# Altium PCB MAIN-VNH7070.PcbDoc (part 1 of 2)
Units mm, origin at the board's own origin, x right, y up, seen from the top; angles counter-clockwise.
Board outline 112.62 x 130 mm, 2 copper layers (Top Layer, Bottom Layer), stack 1.581 mm thick; 108 components, 95 nets, 431 pads, 926 vias.
Unrouted connection lines stored in the file: 8.
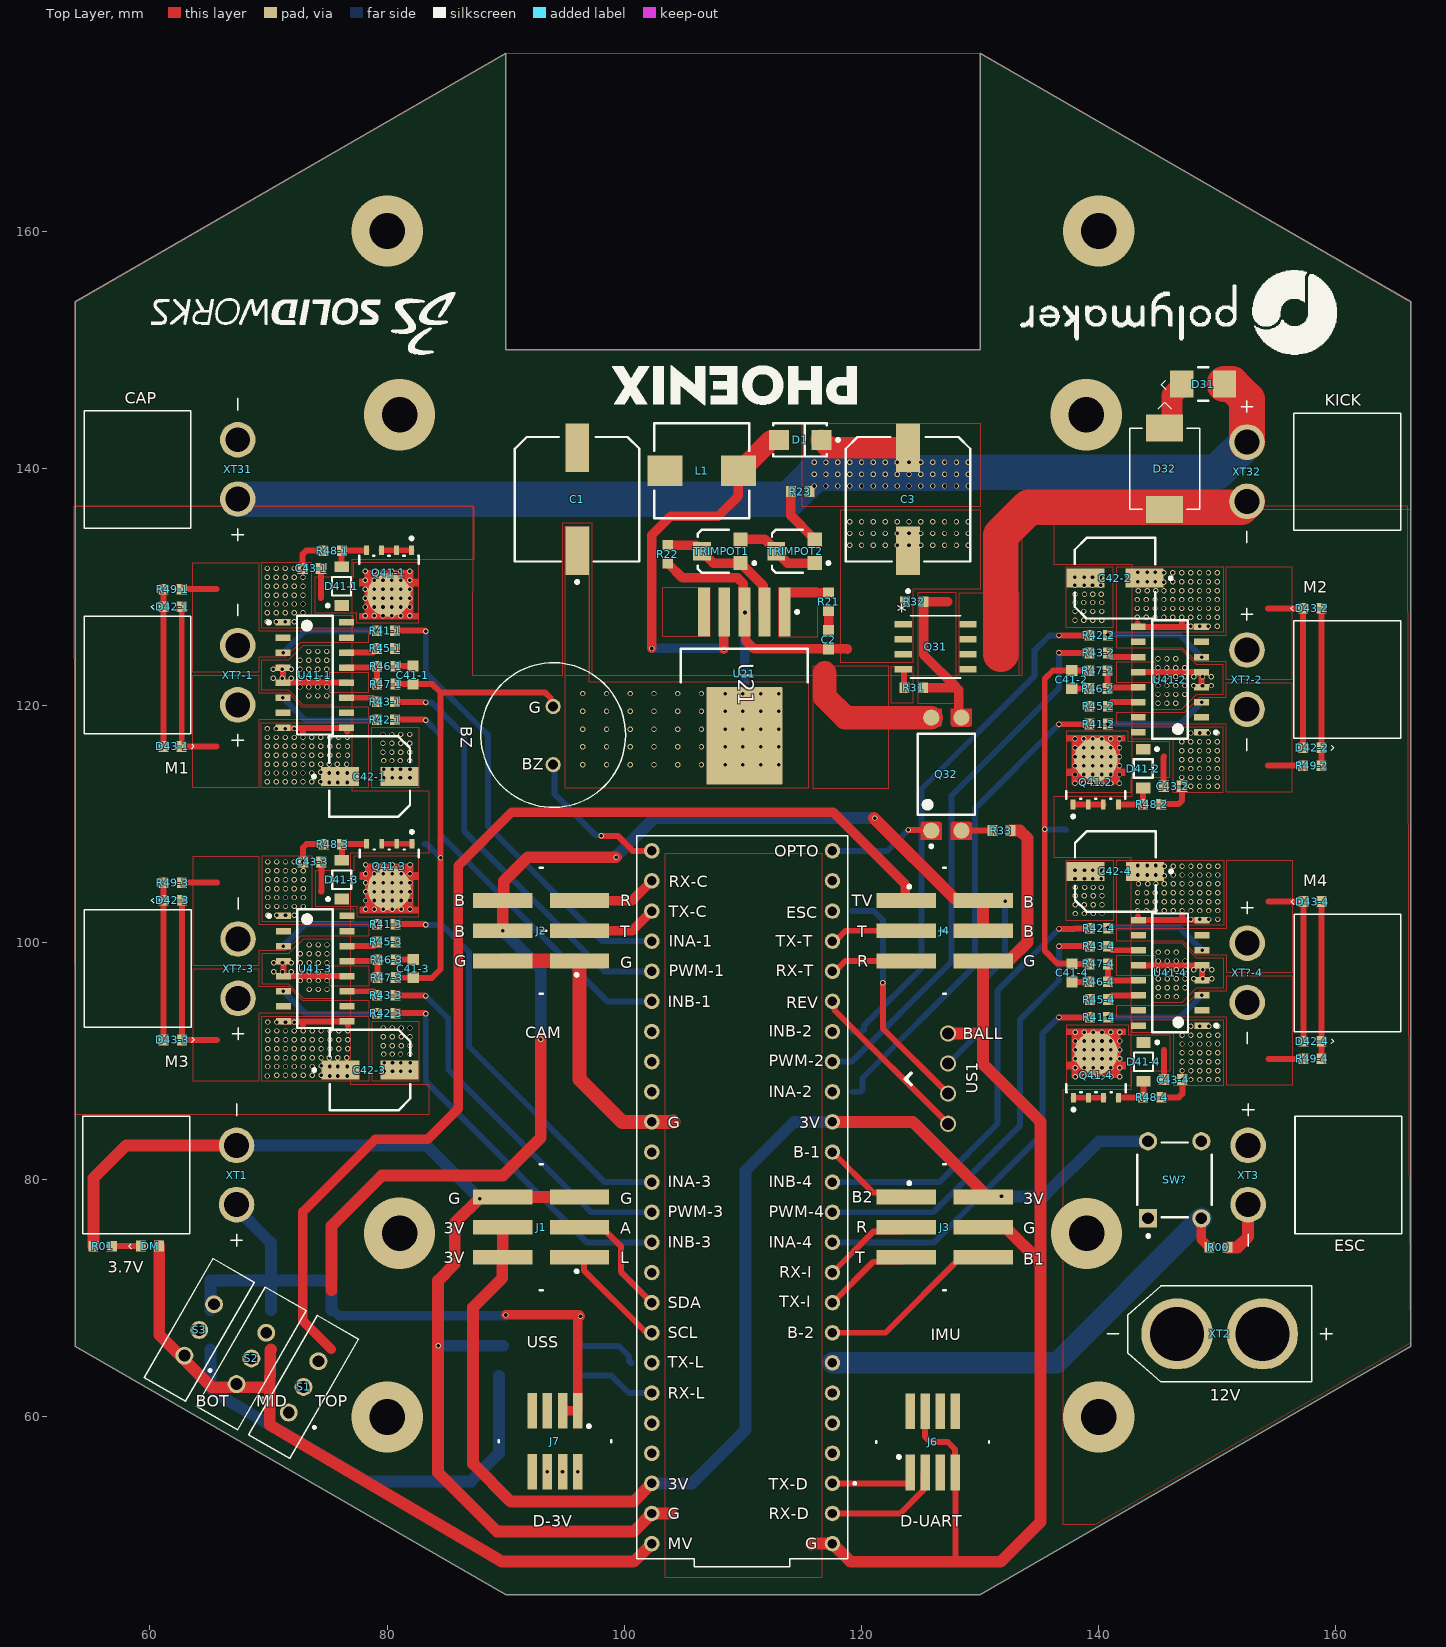
[diagram p0: Top Layer view]
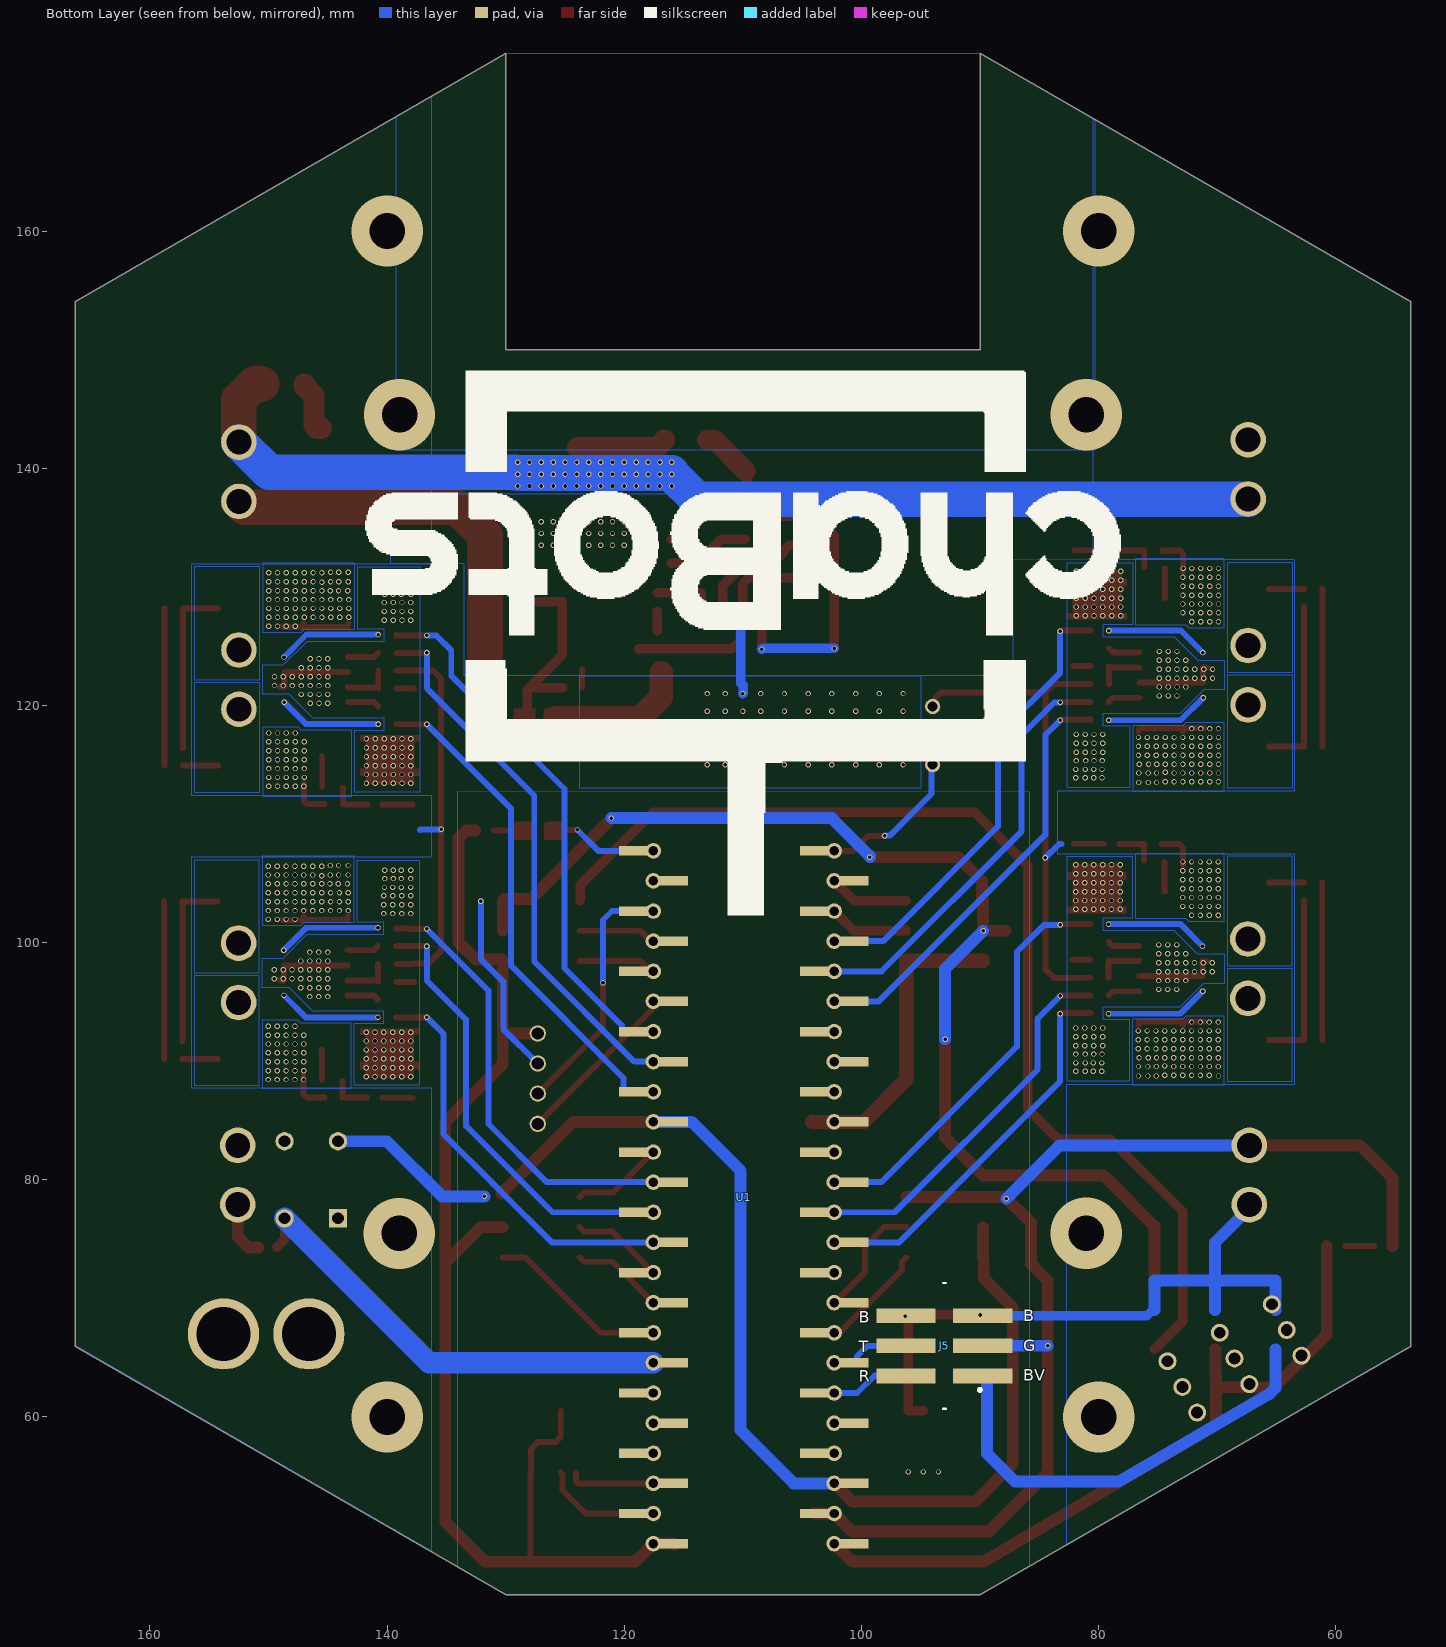
[diagram p1: Bottom Layer view, seen from below]
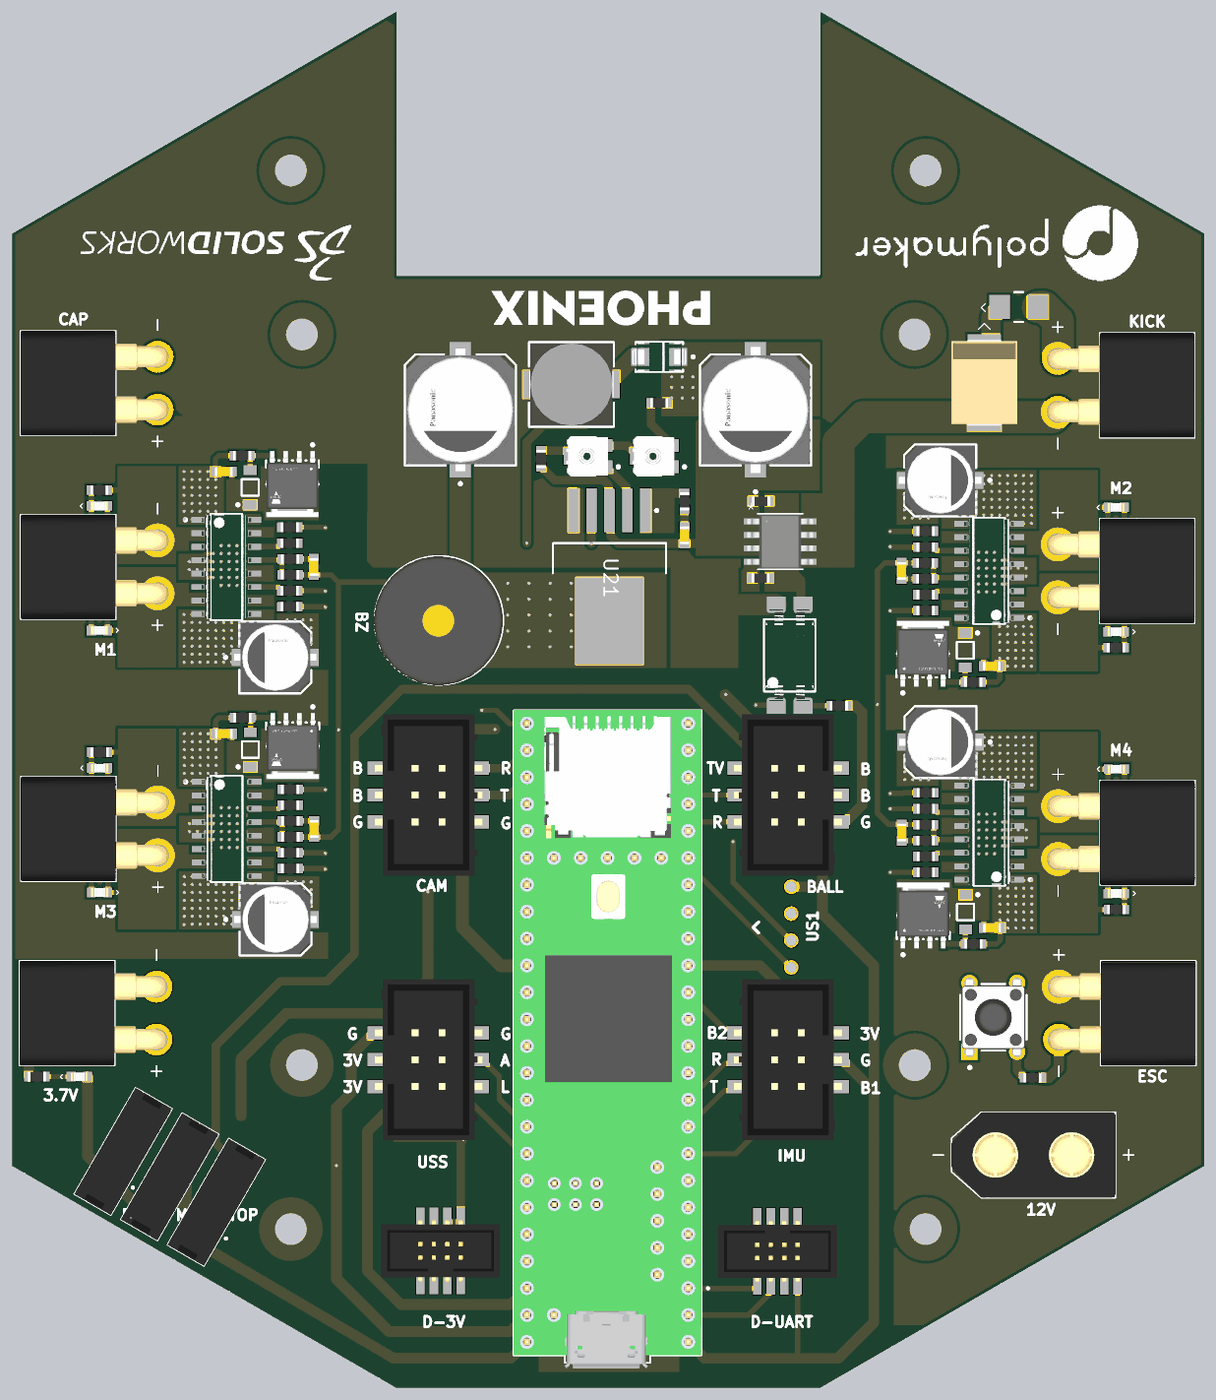
[diagram p3: 3D render of the assembled board from above, using the file's embedded part models]

## Layer stack, top to bottom
Top Solder: solder mask 0.0102, Solder Resist, Dk 3.5
Top Layer: signal copper 0.0356
Dielectric 1: dielectric 1.51, FR-4, Dk 4.8
Bottom Layer: signal copper 0.0356
Bottom Solder: solder mask 0.0102, Solder Resist, Dk 3.5

## Board outline
53.689,65.964 90,45 130,45 166.311,65.964 166.311,154.036 130,175 130,150 90,150 90,175 53.689,154.036

## Design rules (kind name [scope] priority, off if disabled: settings)
BoardOutlineClearance [All] p1: gap=0.254 ignorepadtopadclearanceinfootprint=FALSE except(0: Arc-SplitContinuation Track-SplitContinuation SMDPad-SplitContinuation THPad-SplitContinuation Via-SplitContinuation Fill-SplitContinuation Poly-SplitContinuation Region-SplitContinuation Text-SplitContinuation)
Clearance Clearance_1 [OnMid vs OnMid] p1: gap=0.254 ignorepadtopadclearanceinfootprint=FALSE sourcerule=47 cellrowname=All cellrowtype=0 cellcolname=All cellcoltype=0 innerlayers=TRUE
Clearance Clearance_2 [(ExistsOnLayer('Top Layer') Or ExistsOnLayer('Bottom Layer')) vs (ExistsOnLayer('Top Layer') Or ExistsOnLayer('Bottom Layer'))] p2: gap=0.254 ignorepadtopadclearanceinfootprint=FALSE sourcerule=47 cellrowname=All cellrowtype=0 cellcolname=All cellcoltype=0 outerlayers=TRUE
Clearance [All] p3: gap=0.254 ignorepadtopadclearanceinfootprint=FALSE ismatrix=TRUE
PlaneConnect [All] p1: planeconnectstyle=Direct reliefexpansion=0.508 reliefentries=4 reliefconductorwidth=0.254 reliefairgap=0.254
PolygonConnect [All] p1: connectstyle=Direct reliefconductorwidth=0.254 reliefentries=4 polygonreliefangle="90 Angle" airgapwidth=0.254
RoomDefinition VNH70703 [InComponentClass('VNH70703')] p1: confinementstyle=ConfineIn formatcopy=TRUE lockcomponents=FALSE outline 54.15,85.45 83.425,85.45 83.425,109.675 54.15,109.675
RoomDefinition VNH70704 [InComponentClass('VNH70704')] p2: confinementstyle=ConfineIn formatcopy=TRUE lockcomponents=FALSE outline 165.8,109.8 136.525,109.8 136.525,85.575 165.8,85.575
RoomDefinition VNH70701 [InComponentClass('VNH70701')] p3: confinementstyle=ConfineIn formatcopy=TRUE lockcomponents=FALSE outline 54.125,110.2 83.4,110.2 83.4,134.425 54.125,134.425
RoomDefinition VNH70702 [InComponentClass('VNH70702')] p4: confinementstyle=ConfineIn formatcopy=TRUE lockcomponents=FALSE outline 165.775,134.525 136.5,134.525 136.5,110.3 165.775,110.3
RoutingVias [All] p1: holewidth=0.711 width=1.27 viastyle="Through Hole" minholewidth=0.711 minwidth=1.27 maxholewidth=0.711 maxwidth=10
SolderMaskExpansion [All] p1: expansion=0.102 istentingtop=FALSE
SupplyNets "Schematic Supply Nets_1" [InNet('+3V')] p1: voltage=0.000
SupplyNets "Schematic Supply Nets" [InNet('+3VB')] p2: voltage=0.000
SupplyNets "Schematic Supply Nets_6" [InNet('GND')] p3: voltage=0.000
SupplyNets "Schematic Supply Nets_5" [InNet('+48V')] p4: voltage=0.000
SupplyNets "Schematic Supply Nets_4" [InNet('+12V')] p5: voltage=0.000
ViasUnderSMD ViasUnderSMD_1 [All] p1: allowed=TRUE
Width [All] p1: maxlimit=5 minlimit=0.254 preferedwidth=0.3
29 further rules are at their usual default settings.

## Classes and differential pairs
net class INB-[1..4]: INB-1 INB-2 INB-3 INB-4
net class INA-[1..4]: INA-1 INA-2 INA-3 INA-4
net class PWM-[1..4]: PWM-1 PWM-2 PWM-3 PWM-4
net class CS-[1..4]: CS-1 CS-2 CS-3 CS-4
channel class VNH7070-P: VNH70701 VNH70702 VNH70703 VNH70704
component class VNH70704: C41-4 C42-4 C43-4 D41-4 D42-4 D43-4 Q41-4 R41-4 R42-4 R43-4 R45-4 R46-4 R47-4 R48-4 R49-4 U41-4 XT?-4
component class VNH70703: C41-3 C42-3 C43-3 D41-3 D42-3 D43-3 Q41-3 R41-3 R42-3 R43-3 R45-3 R46-3 R47-3 R48-3 R49-3 U41-3 XT?-3
component class VNH70702: C41-2 C42-2 C43-2 D41-2 D42-2 D43-2 Q41-2 R41-2 R42-2 R43-2 R45-2 R46-2 R47-2 R48-2 R49-2 U41-2 XT?-2
component class VNH70701: C41-1 C42-1 C43-1 D41-1 D42-1 D43-1 Q41-1 R41-1 R42-1 R43-1 R45-1 R46-1 R47-1 R48-1 R49-1 U41-1 XT?-1
component class U_OptocouplerKicker: D31 D32 Q31 Q32 R31 R32 R33 XT31 XT32
component class U_Teensy: BZ DM J1 J2 J3 J4 J5 J6 J7 R00 R01 S1 S2 S3 SW? U1 US1 XT1 XT2 XT3
component class U_VoltageBooster48V: C1 C2 C3 D1 L1 R21 R22 R23 TRIMPOT1 TRIMPOT2 U21

## Components (designator, comment, footprint, x,y, rotation, side; value= is the part's Value field where it differs from the comment)
BZ "BUZZER-PS1240P02BT" BUZZER-PS1240P02BT 94,117.5 r90 top
C1 "EEE-HD1V101AP" FP-HDG-MFG 96.02,137.385 r90 top
C2 "1UF" CAP_0603 117.22,125.535 r90 top
C3 "EEE-TG1J101UP" FP-TGG-MFG 123.92,137.385 r90 top
C41-1 "10NF" CAP_0603 82.175,122.55 r90 top (schematic designator C41)
C41-2 "10NF" CAP_0603 137.725,122.175 r270 top (schematic designator C41)
C41-3 "10NF" CAP_0603 82.2,97.8 r90 top (schematic designator C41)
C41-4 "10NF" CAP_0603 137.75,97.45 r270 top (schematic designator C41)
C42-1 "270UF" FP-FTD8-MFG 78.525,114 r0 top (schematic designator C42)
C42-2 "270UF" FP-FTD8-MFG 141.375,130.725 r180 top (schematic designator C42)
C42-3 "270UF" FP-FTD8-MFG 78.55,89.25 r0 top (schematic designator C42)
C42-4 "270UF" FP-FTD8-MFG 141.4,106 r180 top (schematic designator C42)
C43-1 "0.1UF" CAP_0603 73.65,131.55 r180 top (schematic designator C43)
C43-2 "0.1UF" CAP_0603 146.25,113.175 r0 top (schematic designator C43)
C43-3 "0.1UF" CAP_0603 73.675,106.8 r180 top (schematic designator C43)
C43-4 "0.1UF" CAP_0603 146.275,88.45 r0 top (schematic designator C43)
D1 "SS14-E3/61T" FP-95400-MFG 114.82,142.385 r180 top
D31 "DIO_BZG05C3V3" DIO_BZG05C3V3 148.8,147.1 r180 top
D32 "DIO_RS3B-13-F" DIO_RS3B-13-F 145.35,139.55 r90 top
D41-1 "MMSZ4702T1G" ONSC-SOD-123-2-425-04_V 76.15,130.05 r90 top (schematic designator D41)
D41-2 "MMSZ4702T1G" ONSC-SOD-123-2-425-04_V 143.75,114.675 r270 top (schematic designator D41)
D41-3 "MMSZ4702T1G" ONSC-SOD-123-2-425-04_V 76.175,105.3 r90 top (schematic designator D41)
D41-4 "MMSZ4702T1G" ONSC-SOD-123-2-425-04_V 143.775,89.95 r270 top (schematic designator D41)
D42-1 "LED_0603" LED_0603 61.9,128.3 r180 top (schematic designator D42)
D42-2 "LED_0603" LED_0603 158,116.425 r0 top (schematic designator D42)
D42-3 "LED_0603" LED_0603 61.925,103.55 r180 top (schematic designator D42)
D42-4 "LED_0603" LED_0603 158.025,91.7 r0 top (schematic designator D42)
D43-1 "LED_0603" LED_0603 61.9,116.55 r0 top (schematic designator D43)
D43-2 "LED_0603" LED_0603 158,128.175 r180 top (schematic designator D43)
D43-3 "LED_0603" LED_0603 61.925,91.8 r0 top (schematic designator D43)
D43-4 "LED_0603" LED_0603 158.025,103.45 r180 top (schematic designator D43)
DM "LED_0603" LED_0603 60,74.4 r180 top
J1 "ULTRA_I2C" IDC-6PIN-SMT-2.54 93,76 r180 top
J2 "CAM_UART" IDC-6PIN-SMT-2.54 93,101 r180 top
J3 "IMU_UART" IDC-6PIN-SMT-2.54 127,76 r0 top
J4 "BALL_UART" IDC-6PIN-SMT-2.54 127,101 r0 top
J5 "LINE_UART" IDC-6PIN-SMT-2.54 93,66 r0 bottom
J6 "IDC-8PIN-SMT-1.27" IDC-8PIN-SMT-1.27 126,57.9 r90 top
J7 "IDC-8PIN-SMT-1.27" IDC-8PIN-SMT-1.27 94.15,57.95 r270 top
L1 "100UH" IND_BOOST 106.52,139.785 r0 top
Q31 "SQ4470EY-T1_GE3" SQ4470EY-T1_GE3 126.25,124.95 r0 top
Q32 "SFH6156-1T" FP-83911-MFG 127.15,114.2 r90 top
Q41-1 "SQJ409EP-T1_GE3" FP-T16-0221-SINGLE-MFG 80.15,130.37 r180 top (schematic designator Q41)
Q41-2 "SQJ409EP-T1_GE3" FP-T16-0221-SINGLE-MFG 139.75,114.355 r0 top (schematic designator Q41)
Q41-3 "SQJ409EP-T1_GE3" FP-T16-0221-SINGLE-MFG 80.175,105.62 r180 top (schematic designator Q41)
Q41-4 "SQJ409EP-T1_GE3" FP-T16-0221-SINGLE-MFG 139.775,89.63 r0 top (schematic designator Q41)
R00 "10KΩ" RES_0603 150.1,74.3 r0 top
R01 "10KΩ" RES_0603 56,74.4 r180 top
R21 "2.94KΩ" RES_0603 117.22,128.735 r90 top
R22 "1.5KΩ" RES_0603 103.65,132.75 r90 top
R23 "57KΩ" RES_0603 114.82,138.035 r0 top
R31 "10KΩ" RES_0603 124.4,121.5 r180 top
R32 "10KΩ" RES_0603 124.45,128.75 r0 top
R33 "1KΩ" RES_0603 131.8,109.45 r180 top
R41-1 "1KΩ" RES_0603 79.9,126.3 r180 top (schematic designator R41)
R41-2 "1KΩ" RES_0603 140,118.425 r0 top (schematic designator R41)
R41-3 "1KΩ" RES_0603 79.925,101.55 r180 top (schematic designator R41)
R41-4 "1KΩ" RES_0603 140.025,93.7 r0 top (schematic designator R41)
R42-1 "1KΩ" RES_0603 79.9,118.8 r180 top (schematic designator R42)
R42-2 "1KΩ" RES_0603 140,125.925 r0 top (schematic designator R42)
R42-3 "1KΩ" RES_0603 79.925,94.05 r180 top (schematic designator R42)
R42-4 "1KΩ" RES_0603 140.025,101.2 r0 top (schematic designator R42)
R43-1 "1KΩ" RES_0603 79.9,120.3 r180 top (schematic designator R43)
R43-2 "1KΩ" RES_0603 140,124.425 r0 top (schematic designator R43)
R43-3 "1KΩ" RES_0603 79.925,95.55 r180 top (schematic designator R43)
R43-4 "1KΩ" RES_0603 140.025,99.7 r0 top (schematic designator R43)
R45-1 "1KΩ" RES_0603 79.9,124.8 r180 top (schematic designator R45)
R45-2 "1KΩ" RES_0603 140,119.925 r0 top (schematic designator R45)
R45-3 "1KΩ" RES_0603 79.925,100.05 r180 top (schematic designator R45)
R45-4 "1KΩ" RES_0603 140.025,95.2 r0 top (schematic designator R45)
R46-1 "10KΩ" RES_0603 79.925,123.3 r180 top (schematic designator R46)
R46-2 "10KΩ" RES_0603 139.975,121.425 r0 top (schematic designator R46)
R46-3 "10KΩ" RES_0603 79.95,98.55 r180 top (schematic designator R46)
R46-4 "10KΩ" RES_0603 140,96.7 r0 top (schematic designator R46)
R47-1 "1.5KΩ" RES_0603 79.925,121.8 r180 top (schematic designator R47)
R47-2 "1.5KΩ" RES_0603 139.975,122.925 r0 top (schematic designator R47)
R47-3 "1.5KΩ" RES_0603 79.95,97.05 r180 top (schematic designator R47)
R47-4 "1.5KΩ" RES_0603 140,98.2 r0 top (schematic designator R47)
R48-1 "1KΩ" RES_0603 75.4,133.05 r0 top (schematic designator R48)
R48-2 "1KΩ" RES_0603 144.5,111.675 r180 top (schematic designator R48)
R48-3 "1KΩ" RES_0603 75.425,108.3 r0 top (schematic designator R48)
R48-4 "1KΩ" RES_0603 144.525,86.95 r180 top (schematic designator R48)
R49-1 "4.7KΩ" RES_0603 61.9,129.8 r0 top (schematic designator R49)
R49-2 "4.7KΩ" RES_0603 158,114.925 r180 top (schematic designator R49)
R49-3 "4.7KΩ" RES_0603 61.925,105.05 r0 top (schematic designator R49)
R49-4 "4.7KΩ" RES_0603 158.025,90.2 r180 top (schematic designator R49)
S1 "EG1218" EG1218 72.907,62.56 r60 top
S2 "EG1218" EG1218 68.507,64.96 r60 top
S3 "EG1218" EG1218 64.107,67.36 r60 top
SW? "3-1825910-1" FP-3-1825910-1-MFG 146.4,80 r90 top
TRIMPOT1 "TC33X-2-103E" BOUR-TC33X-2_V 108,133 r180 top
TRIMPOT2 "TC33X-2-103E" BOUR-TC33X-2_V 114.25,133 r180 top
U1 "Teensy-4.1" TEENSY-4.1 109.93,78.53 r90 top
U21 "LM2587SX-ADJ/NOPB" KTT0005B_N 110.12,121.635 r270 top
U41-1 "VNH7070ASTR" FP-SO-16N-GAPGCFT00818-MFG 73.9,122.55 r0 top (schematic designator U41)
U41-2 "VNH7070ASTR" FP-SO-16N-GAPGCFT00818-MFG 146,122.175 r180 top (schematic designator U41)
U41-3 "VNH7070ASTR" FP-SO-16N-GAPGCFT00818-MFG 73.925,97.8 r0 top (schematic designator U41)
U41-4 "VNH7070ASTR" FP-SO-16N-GAPGCFT00818-MFG 146.025,97.45 r180 top (schematic designator U41)
US1 "UMR09" URM09 127.3,88.5 r90 top
XT1 "LIPO-3V" XT30_PW_M 57.3,80.4 r90 top
XT2 "LIPO-12V" XT60-M 150.2,67 r180 top
XT3 "ESC" XT30_PW_M 162.6,80.4 r270 top
XT31 "CAPACITOR" XT30_PW_M 57.4,139.9 r90 top
XT32 "SOLENOID" XT30_PW_M 162.5,139.7 r270 top
XT?-1 "XT30_PW_M" XT30_PW_M 57.4,122.55 r90 top (schematic designator XT?)
XT?-2 "XT30_PW_M" XT30_PW_M 162.5,122.175 r270 top (schematic designator XT?)
XT?-3 "XT30_PW_M" XT30_PW_M 57.425,97.8 r90 top (schematic designator XT?)
XT?-4 "XT30_PW_M" XT30_PW_M 162.525,97.45 r270 top (schematic designator XT?)

## Footprints (in the part's own frame and the unit in brackets; to place one, negate y for a bottom-side part, rotate by r counter-clockwise, add the part's x,y. Pads: shape width x height; smd on the part's side, far side on the other; paste and mask are expansions set on the pad)
BOUR-TC33X-2_V [mm] "SMD, 3-Leads, Body 3.8x3.6mm"
  rect 1.2x1.2 smd: 1(-1.8,1) 3(-1.8,-1)
  rect 1.5x1.6 smd: 2(1.45,0)
  silkscreen extent -3.08,-1.8 1.8,1.8, body extent -2,-1.8 1.96,1.8, height 1.15
BUZZER-PS1240P02BT [mm]
  round 1.28 hole 0.85: 1(-2.5,0) 2(2.413,0)
  silkscreen extent -6.1,-6.1 6.1,6.1, body extent -6.14,-6.04 6.06,6.16, height 6
CAP_0603 [mm] "Chip Capacitor, 2-Leads, Body 1.60x0.80mm, IPC Medium Density"
  rect 0.9x0.95 smd: 1(-0.775,0) 2(0.775,0)
  body extent -0.85,-0.45 0.85,0.45, height 0.55
DIO_BZG05C3V3 [mm] "Molded Diode, 2-Leads, Body 4.35x2.50mm, IPC Medium Density"
  rect 1.95x2.25 smd: A(-1.8,0) C(1.8,0)
  silkscreen extent -0.42,-1.4 3.54,1.4, body extent -2.25,-1.4 2.25,1.4, height 2.3
DIO_RS3B-13-F [mm]
  rect 2.29x3.12 smd: A(-3.03,-0.2) C(3.83,-0.2)
  silkscreen extent -3.03,-3.15 6,2.75, body extent -3.67,-3.31 4.46,2.91, height 2.45
EG1218 [mm]
  round 1.508 hole 1: 1(-2.5,-0.05) 2(0,-0.05) 3(2.5,-0.05)
  silkscreen extent -5.8,-2.65 5.8,1.95, body extent -5.8,-2.05 5.8,1.95, height 7
FP-3-1825910-1-MFG [mm]
  rect 1.54x1.54 hole 0.99 paste-2539.97 mask+0: 1(-3.25,2.25)
  round 1.54 hole 0.99 paste-2539.97 mask+0: 2(3.25,2.25) 3(-3.25,-2.25) 4(3.25,-2.25)
  silkscreen extent -4.87,-3.15 3.15,3.15, body extent -4.12,-3.24 4.12,3.24, height 0.25
FP-83911-MFG [mm]
  round 1.368 smd paste+0 mask+0: 1(-4.765,1.27) 2(-4.765,-1.27) 3(4.765,-1.27) 4(4.765,1.27)
  Top Layer region: 5.525,0.38 4.255,0.38 4.159,0.399 4.078,0.453 4.024,0.534 4.005,0.63 4.005,0.63 4.005,1.91 4.024,2.006 4.078,2.087 4.159,2.141 4.255,2.16 4.255,2.16 5.525,2.16
  Top Layer region: 5.525,-2.16 4.255,-2.16 4.159,-2.141 4.078,-2.087 4.024,-2.006 4.005,-1.91 4.005,-1.91 4.005,-0.63 4.024,-0.534 4.078,-0.453 4.159,-0.399 4.255,-0.38 4.255,-0.38 5.525,-0.38
  Top Layer region: -5.525,-0.38 -4.255,-0.38 -4.159,-0.399 -4.078,-0.453 -4.024,-0.534 -4.005,-0.63 -4.005,-0.63 -4.005,-1.91 -4.038,-2.035 -4.13,-2.127 -4.255,-2.16 -4.255,-2.16 -5.525,-2.16
  Top Layer region: -5.525,2.16 -4.255,2.16 -4.159,2.141 -4.078,2.087 -4.024,2.006 -4.005,1.91 -4.005,1.91 -4.005,0.63 -4.038,0.505 -4.13,0.413 -4.255,0.38 -4.255,0.38 -5.525,0.38
  silkscreen extent -6.2,-2.41 3.4,2.41, body extent -5.63,-2.51 5.63,2.51, height 0.25
FP-95400-MFG [mm]
  rect 1.7x1.68 smd paste+0 mask+0: 1(-1.79,0) 2(1.79,0)
  silkscreen extent -3.33,-1.4 2.25,1.4, body extent -2.74,-1.5 2.74,1.5, height 0.25
FP-FTD8-MFG [mm]
  rect 3.2x1.6 smd paste+0 mask+0: 1(-2.5,0) 2(2.5,0)
  silkscreen extent -4.82,-3.4 3.4,3.4, body extent -4.35,-3.65 4.35,3.65, height 0.25
FP-HDG-MFG [mm]
  rect 4.1x2 smd paste+0 mask+0: 1(-4.35,0) 2(4.35,0)
  silkscreen extent -7.1,-5.25 5.25,5.25, body extent -6.65,-5.5 6.65,5.5, height 0.25
FP-SO-16N-GAPGCFT00818-MFG [mm]
  rect 1.25x0.55 smd paste+0 mask+0: 1(-2.675,4.445) 2(-2.675,3.175) 3(-2.675,1.905) 4(-2.675,0.635) 5(-2.675,-0.635) 6(-2.675,-1.905) 7(-2.675,-3.175) 8(-2.675,-4.445) 9(2.675,-4.445) 10(2.675,-3.175) 11(2.675,-1.905) 12(2.675,-0.635) 13(2.675,0.635) 14(2.675,1.905) 15(2.675,3.175) 16(2.675,4.445)
  silkscreen extent -4,-5 1.5,5, body extent -3.4,-5.1 3.4,5.1, height 0.25
FP-T16-0221-SINGLE-MFG [mm]
  rect 0.41x0.82 smd paste+0 mask+0: 1(-1.905,-2.715) 2(-0.635,-2.715) 3(0.635,-2.715) 4(1.905,-2.715)
  round 3.655 smd paste+0 mask+0: 5(0,1.07)
  Top Layer region: -2.5,3.125 2.5,3.125 2.5,2.615 2.03,2.615 2.03,0.305 2.5,0.305 2.5,-0.305 2.03,-0.305 2.03,-1.015 -2.03,-1.015 -2.03,-0.305 -2.5,-0.305 -2.5,0.305 -2.03,0.305 -2.03,2.615 -2.5,2.615
  silkscreen extent -2.5,-3.84 2.5,-1.57, body extent -2.73,-3.22 2.73,3.22, height 0.25
FP-TGG-MFG [mm]
  rect 4.1x2 smd paste+0 mask+0: 1(-4.35,0) 2(4.35,0)
  silkscreen extent -7.87,-5.25 5.25,5.25, body extent -6.65,-5.5 6.65,5.5, height 0.25
IDC-6PIN-SMT-2.54 [mm] "SOJ, 6-Leads, Body 10.60x10.50mm, Pitch 2.54mm, IPC Low Density"
  rect 5x1.25 smd: 1(-3.225,2.54) 2(-3.225,0) 3(-3.225,-2.54) 4(3.25,-2.54) 5(3.25,0) 6(3.25,2.54)
  silkscreen extent -3.1,-5.3 0.12,5.3, body extent -5.1,-7.61 5.08,7.61, height 10.5
IDC-8PIN-SMT-1.27 [mm]
  rect 3x0.8 smd: 1(-2.586,1.905) 2(-2.586,0.635) 3(-2.586,-0.635) 4(-2.586,-1.905) 5(2.586,-1.905) 6(2.586,-0.635) 7(2.586,0.635) 8(2.586,1.905)
  silkscreen extent -1.39,-4.75 0.08,4.75, body extent -2.9,-5.64 2.9,5.64, height 5.1
IND_BOOST [mm] "Precision Wire Wound Inductor, 2-Leads, Body 7.75x7.75mm, IPC Medium Density"
  rect 2.95x2.6 smd: 1(-3.1,0) 2(3.1,0)
  silkscreen extent -4,-4 4,4, body extent -3.98,-3.88 3.98,3.88, height 4.6
KTT0005B_N [mm] "DPAK, 5-Leads, Body 10.65x9.65mm, Pitch 1.7mm, IPC Medium Density"
  rrect10% 4.15x1 smd: 1(-6.25,3.4) 2(-6.25,1.7) 3(-6.25,0) 4(-6.25,-1.7) 5(-6.25,-3.4)
  rrect2% 8.2x6.4 smd: 6(4.2,0)
  silkscreen extent -6.37,-5.35 -0.3,5.35, body extent -3.15,-5.32 6.5,5.33, height 4.83
LED_0603 [mm]
  rect 0.85x0.9 smd: A(-0.776,-0.009) C(0.774,-0.009)
  silkscreen extent 1.6,-0.2 1.8,0.2, body extent -0.8,-0.4 0.8,0.4, height 0.35
ONSC-SOD-123-2-425-04_V [mm] "SOD, 2-Leads, Body 2.69x1.6mm"
  rect 0.91x1.22 smd: 1(-1.635,0) 2(1.635,0)
  silkscreen extent -1.76,-0.8 0.78,1.28, body extent -1.35,-0.8 1.35,0.8, height 1.35
RES_0603 [mm] "Chip Resistor, 2-Leads, Body 1.60x0.80mm, IPC Medium Density"
  rect 0.85x0.9 smd: 1(-0.775,0) 2(0.775,0)
  body extent -0.85,-0.45 0.85,0.45, height 0.55
SQ4470EY-T1_GE3 [mil]
  rect 57.5x22 smd paste+0 mask+0: D(107.17,-75.43) D(107.17,-25.43) D(107.17,24.57) D(107.17,74.57) G(-107.33,-75.43) S(-107.33,-25.43) S(-107.33,24.57) S(-107.33,74.57)
  silkscreen extent -84,-104 83,103, body extent -122,-99 122,98, height 69
TEENSY-4.1 [mm]
  rect 0.8x2.4 smd far side: 0(-26.67,-9.32) 1(-24.13,-5.92) 2(-21.59,-9.32) 3(-19.05,-5.92) 3V(-24.13,9.33) 3V-1(6.35,-5.92) 4(-16.51,-9.32) 5(-13.97,-5.92) 6(-11.43,-9.32) 7(-8.89,-5.92) 8(-6.35,-9.32) 9(-3.81,-5.92) 10(-1.27,-9.32) 11(1.27,-5.92) 12(3.81,-9.32) 13(3.81,5.93) 14(1.27,9.33) 15(-1.27,5.93) 16(-3.81,9.33) 17(-6.35,5.93) 18(-8.89,9.33) 19(-11.43,5.93) 20(-13.97,9.33) 21(-16.51,5.93) 22(-19.05,9.33) 23(-21.59,5.93) 24(8.89,-9.32) 25(11.43,-5.92) 26(13.97,-9.32) 27(16.51,-5.92) 28(19.05,-9.32) 29(21.59,-5.92) 30(24.13,-9.32) 31(26.67,-5.92) 32(29.21,-9.32) 33(29.21,5.93) 34(26.67,9.33) 35(24.13,5.93) 36(21.59,9.33) 37(19.05,5.93) 38(16.51,9.33) 39(13.97,5.93) 40(11.43,9.33) 41(8.89,5.93) GND(-26.67,5.93) GND1(-29.21,-5.92) GND3(6.35,9.33) VIN(-29.21,9.33)
  round 1.308 hole 0.8: 0(-26.67,-7.62) 1(-24.13,-7.62) 2(-21.59,-7.62) 3(-19.05,-7.62) 3V(-24.13,7.62) 3V-1(6.35,-7.62) 4(-16.51,-7.62) 5(-13.97,-7.62) 6(-11.43,-7.62) 7(-8.89,-7.62) 8(-6.35,-7.62) 9(-3.81,-7.62) 10(-1.27,-7.62) 11(1.27,-7.62) 12(3.81,-7.62) 13(3.81,7.62) 14(1.27,7.62) 15(-1.27,7.62) 16(-3.81,7.62) 17(-6.35,7.62) 18(-8.89,7.62) 19(-11.43,7.62) 20(-13.97,7.62) 21(-16.51,7.62) 22(-19.05,7.62) 23(-21.59,7.62) 24(8.89,-7.62) 25(11.43,-7.62) 26(13.97,-7.62) 27(16.51,-7.62) 28(19.05,-7.62) 29(21.59,-7.62) 30(24.13,-7.62) 31(26.67,-7.62) 32(29.21,-7.62) 33(29.21,7.62) 34(26.67,7.62) 35(24.13,7.62) 36(21.59,7.62) 37(19.05,7.62) 38(16.51,7.62) 39(13.97,7.62) 40(11.43,7.62) 41(8.89,7.62) GND(-26.67,7.62) GND1(-29.21,-7.62) GND3(6.35,7.62) VIN(-29.21,7.62)
  silkscreen extent -31.18,-9.6 30.48,8.89, body extent -31.7,-8.9 30.5,8.88, height 7.07
URM09 [mm]
  round 1.37 hole 1.02: GND(1.3,0) SCL(-1.24,0) SDA(-3.78,0) VCC(3.84,0)
  silkscreen extent -0.5,3.1 0.5,3.6
XT30_PW_M [mm]
  round 3 hole 2.1: N(2.5,-10) P(-2.5,-10)
  silkscreen extent -6,-10.5 6,2.95, body extent -4.95,-11 4.95,2.95, height 5
XT60-M [mm]
  round 6 hole 4.55: N(3.6,0) P(-3.6,0)
  silkscreen extent -9.5,-4.05 9.5,4.05, body extent -7.75,-4.05 7.75,4.05, height 15

## Part data
C1: library part CMP-00287-42869300-1, "EEE-HD1V101AP Aluminum Electrolytic Capacitor, 100 uF, 35 V, ± 20%, 5000 hours @ 105°C, Radial Can - SMD", Capacitance=100µF, Case/Package=Radial, Dielectric Material=Aluminium, ESR (Equivalent Series Resistance)=800mΩ, Leakage Current=35µA, Max Operating Temperature=105°C, Min Operating Temperature=-40°C, Ripple Current=101mA, Tolerance=20%, Voltage=35V, Diameter=10mm, Dissipation Factor=14%, Height=10.2mm, Height - Seated (Max)=10.2108mm, Impedance=800mΩ, Lead Free="Lead Free", Lead Pitch=4.6mm, Length=10.5mm, Life (Hours)=5000hours, Lifecycle Status=Production, Mount="PCB, Surface Mount", NexarPartId=42869300, Number of Pins=2, Packaging="Cut Tape", Radiation Hardening=No, REACH SVHC="No SVHC", Ripple Current (AC)=101mA, RoHS=Compliant, Schedule B="8532220020, 8532220020", Termination=SMD/SMT, Voltage Rating=35V, Voltage Rating (DC)=35V
C2 C41-1 C41-2 C41-3 C41-4 C43-1 C43-2 C43-3 C43-4: library part CAP_0603, "Capacitor SMD 0603 generic"
C3: library part CMP-05427-002169-1, "CAP ALUM 100UF 20% 63V SMD", Capacitance=100uF, Case/Package=Radial, ESR (Equivalent Series Resistance)=800mR, Max Operating Temperature=125°C, Min Operating Temperature=-40°C, Package Quantity=500, Ratings=AEC-Q200, Ripple Current=150mA, Tolerance=20%, Voltage=63V, Construction=Cylindrical, Contact Plating=Tin, Diameter=10mm, Dissipation Factor=0.12%, Height=10.2mm, Height - Seated (Max)=0.402inch, Lead Free="Lead Free", Length=10.2mm, Life (Hours)=2000Hour, Mount="Surface Mount", Packaging="Tape and Reel", Radiation Hardening=No, Reach SVHC Compliant=Yes, Ripple Current (AC)=150mA, RoHS Compliant=Yes, Series=TG, Termination=SMD/SMT, Voltage Rating=63V, Voltage Rating (DC)=63V, Width=900um
C42-1 C42-2 C42-3 C42-4: library part CMP-05427-000088-1, "CAP ALUM 220UF 20% 25V SMD", Capacitance=220uF, Case/Package=Radial, Dielectric Material=Aluminium, ESR (Equivalent Series Resistance)=160mR, Leakage Current=55uA, Max Operating Temperature=105°C, Min Operating Temperature=-55°C, Package Quantity=1, Ripple Current=600mA, Tolerance=20%, Voltage=25V, Construction=Cylindrical, Contact Plating=Tin, Diameter=6.3mm, Height=7.7mm, Height - Seated (Max)=0.315inch, Lead Diameter=0.65mm, Lead Free="Lead Free", Lead Pitch=1.8mm, Length=7.7mm, Life (Hours)=2000Hour, Mount="Surface Mount", Number of Pins=8, Packaging="Tape and Reel", Radiation Hardening=No, REACH SVHC="No SVHC", Ripple Current (AC)=600mA, RoHS Compliant=Yes, Series=FT, Termination=SMD/SMT, Voltage Rating=25V, Voltage Rating (DC)=25V
D1: library part CMP-02539-000035-1, "DIODE SCHOTTKY 40V 1A DO214AC", Forward Current=1A, Manufacturer=Vishay, Max Junction Temp=+150°C, Max Repetitive Reverse Voltage=40V, Max Surge Forward Current=40A, Package=95400, Peak Reverse Current=0.2mA, Temperature="-65°C to +150°C", Temperature Range Low=-65°C, Automotive=No, Category=Diode, ComponentLink2Description=Datasheet, ComponentLink2URL=http://www.vishay.com/docs/88746/ss12.pdf, Device Class L1="Discrete Semiconductors", Device Class L2=Diodes, Device Class L3="Schottky Diodes", Digikey Description="DIODE SCHOTTKY 40V 1A DO214AC", Footprint Url=http://www.vishay.com/docs/95400/sma.pdf, Height=2.29mm, Lead Free=Yes, Manufacturer Part Number=SS14-E3/61T, Mouser Description="SS14 Series 40 V 1 A Surface Mount Schottky Barrier Rectifier - DO-214AC (SMA)", Octopart=https://octopart.com/ss14-e3%2F61t-vishay-39552847, RoHS=TRUE, Standoff Height=0mm, Temperature Range High=+150°C
D41-1 D41-2 D41-3 D41-4: library part CMP-1060-00296-1, "Zener Voltage Regulator, 500 mW, 2-Pin SOD-123, Pb-Free, Tape and Reel", Manufacturer="On Semiconductor", ComponentLink1Description="Manufacturer URL", ComponentLink1URL=http://www.onsemi.com/, ComponentLink2Description=Datasheet, ComponentLink2URL=http://www.onsemi.com/pub_link/Collateral/MMSZ4678T1-D.PDF, ComponentLink3Description="Package Specification", ComponentLink3URL=http://www.onsemi.com/pub_link/Collateral/425-04.PDF, DatasheetVersion="Rev. 9", Mounting Technology="Surface Mount", P Max (W)=0.5, PackageDescription="2-Pin SOD, Body 1.6 x 2.69 mm", PackageReference=SOD-123-2-425-04, PackageVersion="Rev. G, 10/2009", Packing="Tape and Reel", PartNumber=MMSZ4702T1G, RoHS=Pb-Free, VZ Typ (V)=15
J1 J2 J3 J4 J5: library part IDC-6PIN-SMT-2.54_1
L1: library part "Boost Inductor", "Voltage Boost Inductor"
Q32: library part CMP-00030-03895371-1, "SFH6156-1T Optocoupler Dc-in 1-CH Transistor Dc-out 4-PIN PDIP SMD T/r", Ambient Temperature Range High=100°C, Case/Package=SMD/SMT, Collector Emitter Saturation Voltage=400mV, Collector Emitter Voltage (VCEO)=70V, Current Transfer Ratio=80%, Forward Current=60mA, Forward Voltage=1.25V, Isolation Voltage=5.3kV, Max Collector Current=100mA, Max Power Dissipation=150mW, Min Operating Temperature=-55°C, Output Current per Channel=50mA, Reverse Breakdown Voltage=6V, Fall Time=11s, Height=4.059mm, Input Current=60mA, Lead Free="Lead Free", Max Input Current=60mA, Max Operating Temperature=100°C, Max Output Voltage=70V, Mount="PCB, Surface Mount", NexarPartId=3895371, Number of Channels=1, Number of Elements=1, Number of Pins=4, Output Voltage=70V, Packaging=Digi-Reel®, Power Dissipation=150mW, Radiation Hardening=No, Reverse Voltage=6V, Rise Time=2s, RoHS=Compliant, Schedule B="8541408000, 8541408000", Turn-Off Delay Time=2.3µs, Turn-On Delay Time=3µs
Q41-1 Q41-2 Q41-3 Q41-4: library part CMP-02550-000144-1, "MOSFET P-CH 40V 60A POWERPAKSO-8", Continuous Drain Current=-60A, Drain To Source Breakdown Voltage=-40V, Drain To Source Resistance=0.0058Ω, Gate To Source Voltage=20V, Input Capacitace At Vds="8400pF @ -25V", Manufacturer=Vishay, Max Forward Diode Voltage=-1.2V, Max Junction Temp=+175°C, Package=T16-0221-SINGLE, Power Dissipation=68W, Pulse Drain Current=-150A, Temperature="-55°C to +175°C", Temperature Range Low=-55°C, Typ Forward Diode Voltage=-0.76V, Automotive=Yes, Automotive Grade="Grade 0", Category=Trans, ComponentLink2Description=Datasheet, ComponentLink2URL=https://www.vishay.com/docs/77707/sqj409ep.pdf, Depletion Mode=False, Device Class L1="Discrete Semiconductors", Device Class L2=Transistors, Device Class L3=MOSFETs, Digikey Description="MOSFET P-CH 40V 60A POWERPAKSO-8", Drain To Source Voltage=-40V, Footprint Url=http://www.vishay.com/docs/63818/ppso8ls.pdf, Gate Charge At Vgs="170nC @ -10V", Height=1.267mm, Lead Free=Yes, Manufacturer Part Number=SQJ409EP-T1_GE3, Mouser Description="Trans MOSFET P-CH 40V 60A Automotive 5-Pin(4+Tab) PowerPAK SO T/R", Number of Channels=1, Number Of P Channels=1, Octopart=https://octopart.com/sqj409ep-t1_ge3-vishay-82218774, Reverse Recovery Charge=45nC, Reverse Recovery Time=39ns, RoHS=TRUE, Rthja Max=68°C/W, Standoff Height=0mm, Temperature Range High=+175°C, Threshold Vgs Max=-2.5V, Threshold Vgs Min=-1.5V, Transconductance=54S, Turn Off Delay Time=75ns, Turn On Delay Time=23ns
R00 R01 R21 R22 R23 R31 R32 R33 R41-1 R41-2 R41-3 R41-4 R42-1 R42-2 R42-3 R42-4 R43-1 R43-2 R43-3 R43-4 R45-1 R45-2 R45-3 R45-4 R46-1 R46-2 R46-3 R46-4 R47-1 R47-2 R47-3 R47-4 R48-1 R48-2 R48-3 R48-4 R49-1 R49-2 R49-3 R49-4: library part RES_0603, "Resistor SMD 0603 generic"
SW?: library part CMP-03407-000001-1, "SWITCH TACTILE SPST-NO 0.05A 24V", Contact Current Rating=50mA, Contact Resistance=100mΩ, Manufacturer="TE Connectivity", Operating Force=160gf, Package=0, Temperature="-35°C to +85°C", Temperature Range High=+85°C, Temperature Range Low=-35°C, Automotive=No, Category=Switch, ComponentLink2Description=Datasheet, ComponentLink2URL=https://www.te.com/commerce/DocumentDelivery/DDEController?Action=srchrtrv&DocNm=1825910&DocType=Customer+Drawing&DocLang=English, Device Class L1=Electromechanical, Device Class L2=Switches, Device Class L3="Tactile Switches", Digikey Description="SWITCH TACTILE SPST-NO 0.05A 24V", Electromechanical Life=100000Cycles, Height=17.3mm, Lead Free=Yes, Manufacturer Part Number=3-1825910-1, Mount="Through Hole", Octopart=https://octopart.com/3-1825910-1-te+connectivity-46506874, RoHS=TRUE, Throw Configuration=SPST-NO
TRIMPOT1 TRIMPOT2: library part CMP-2100-03695-1, "Trimming Potentiometer, 10000 Ohm, -40 to 100 degC, 3-Pin SMD, RoHS, Tape and Reel", Case/Package=SMD/SMT, Colour=Silver, Manufacturer=Bourns, Max Operating Temperature=100degC, Max Power Dissipation=100mW, Min Operating Temperature=-40degC, Package Description="3-Pin Surface Mount Device, Body 3.8 x 3.6 mm", Package Quantity=2500, Package Reference=TC33X-2, Resistance=10KOhm, Temperature Coefficient=250ppm/degreesC, Tolerance=25%, Voltage Rating (DC)=50V, Composition=Potentiometer, Contact Plating=Silver, Datasheet URL=http://www.bourns.com/docs/Product-Datasheets/TC33.pdf, Datasheet Version=42583.0, Depth=3.8mm, Height=0.047inch, Lead Free=LeadFree, Length=3mm, Manufacturer URL=http://www.bourns.com/, Military Standard=Not, Mount=SurfaceMount, Number of Turns=1, Packaging=TapeandReel, Power Rating=100mW, Radiation Hardening=No, REACH SVHC=NoSVHC, RoHSCompliant=true, Taper=Linear, Termination=FootPrint, Weight=29.4mg, Width=0.118inch
U21: library part CMP-0069-00069-3, "5A Flyback Regulator, 5-pin TO-263, Pb-Free", Manufacturer="Texas Instruments", PackageTopMarking="NSUZXYTTE#*LM2587S*-ADJ P+", PowerWise=N, Code_JEDEC=MO-169-AB, ComponentLink1Description="Datasheet URL", ComponentLink1URL=http://www.ti.com/general/docs/lit/getliterature.tsp?genericPartNumber=LM2587&fileType=pdf, CompType=Switcher, PackageDescription="TO-263, Molded, .400 x .390 x .180in, 5 Lead, .067in Pitch, Surface Mount", PackageReference=KTT0005B, PinCount=5, RoHS=Y
U41-1 U41-2 U41-3 U41-4: library part CMP-2000-07519-2, "IC MOTOR DRIVER 4V-28V 16SOIC", Manufacturer=STMicroelectronics, Max Junction Temp=+150°C, Max Supply Voltage=28V, Min Supply Voltage=4V, Nominal Supply Current=2-3.5mA, Output Current=15A, Package=SO-16N-GAPGCFT00818, Temperature="-40°C to +150°C", Temperature Range Low=-40°C, Automotive=Yes, Automotive Grade="Grade 0", Category=IC, ComponentLink2Description=Datasheet, ComponentLink2URL=https://www.st.com/resource/en/datasheet/vnh7070as.pdf, Device Class L1="Integrated Circuits (ICs)", Device Class L2="Power Management ICs", Device Class L3="Motor Drivers", Digikey Description="IC MOTOR DRIVER 4V-28V 16SOIC", Footprint Url=https://www.st.com/resource/en/datasheet/l6566a.pdf, Height=1.75mm, Ipc Land Pattern Name=SOIC127P600X175-16, Lead Free=Yes, Manufacturer Part Number=VNH7070ASTR, Motor Type=Brushed, Mouser Description="STMicroelectronics VNH7070ASTR Motor Driver IC 16-Pin, SOIC", Number Of Outputs=2, Octopart=https://octopart.com/vnh7070astr-stmicroelectronics-66668687, RoHS=TRUE, Standoff Height=0.1mm, Temperature Range High=+150°C
XT1 XT3 XT31 XT32: library part XT30_PW_M
XT2: library part XT60-M

## Via types
v1: diameter 0.45, hole 0.3, Top Layer to Bottom Layer, tented both sides, 918 vias
v2: diameter 6, hole 3, Top Layer to Bottom Layer, 8 vias

## Nets (pads, with @x,y where several pads share a name; then routed paths per layer and width w, separated by ;. In a path a pad name is that pad's centre, name@x,y a point inside that pad or via, vN(x,y) a via of type N, cw(c..) or ccw(c..) an arc to the next point about the centre after c; other vN are vias at no path point)
+3V: J1.5 J1.6 J3.6 SW?.2 U1.3V U1.3V-1 | length 107.8
  Top Layer w1: J1.6@89.7,72.95 89.7,71.7 87.25,69.25 87.25,56.043 90.423,52.87 100.78,52.87 U1.3V@102.31,54.4 ; J1.6@89.75,73.46 J1.5@89.75,76 ; U1.3V-1@117.55,84.88 124.323,84.88 J3.6@130.375,78.828
  Bottom Layer w1: U1.3V@102.31,54.4 105.726,54.4 110.2,58.874 110.2,80.75 114.33,84.88 U1.3V-1@115.85,84.88 U1.3V-1@117.55,84.88 ; v1(131.8,78.6) 135.377,78.6 140.027,83.25 SW?.2@144.15,83.25
+3VB: J2.4 J2.5 J4.5 J4.6 J5.3 J5.4 J7.1 J7.2 S1.2 S1.3 S2.2 S2.3 S3.2 S3.3 US1.GND XT1.P | length 170.9
  Top Layer w0.8: v1(90,68.6) 96.2,68.6 v1(96.3,68.5) 96.055,68.255 J7.1@96.055,60.536 J7.2@94.785,60.536
  Top Layer w1: 75.3,70.7 75.3,76.1 79.576,80.376 89.776,80.376 92.95,83.55 v1(92.95,91.85) ; J2.5@87.875,101 v1(89.75,101) 89.75,103.586 89.829,103.665 89.829,105.179 91.85,107.2 v1(99.3,107.2) ; v1@121.05,110.5 127.885,103.665 130.125,103.665 J4.6@130.25,103.54 J4.5@130.25,101
  Bottom Layer w0.5: US1.GND@127.3,89.8 130.2,92.7 130.2,96.7 132.1,98.6 v1(132.1,103.5)
  Bottom Layer w0.8: 75.3,69 75.492,69 75.952,68.54 89.94,68.54 v1(90,68.6)
  Bottom Layer w1: S3.3@65.1,69 65.1,71.5 70.2,71.5 ; XT1.P@67,77.9 70.2,74.7 70.2,71.5 ; 70.2,69 70.2,71.5 ; 75.3,69 75.3,71.5 70.2,71.5 ; v1(89.75,101) 92.95,97.8 v1(92.95,91.85) ; v1(99.3,107.2) 99.3,107.3 102.5,110.5 v1(121.1,110.5)
+12V: C1.2 L1.1 Q32.4 Q41-1.1 Q41-1.2 Q41-1.3 Q41-2.1 Q41-2.2 Q41-2.3 Q41-3.1 Q41-3.2 Q41-3.3 Q41-4.1 Q41-4.2 Q41-4.3 U21.5 XT2.P XT3.P | length 21.9
  Top Layer w0.5: Q41-1.3@79.515,133.085 Q41-1.2@80.785,133.085 Q41-1.1@82.055,133.085 ; Q41-3.3@79.54,108.335 Q41-3.2@80.81,108.335 Q41-3.1@82.08,108.335 ; Q41-2.1@137.845,111.64 Q41-2.2@139.115,111.64 Q41-2.3@140.385,111.64 ; Q41-4.1@137.87,86.915 Q41-4.2@139.14,86.915 Q41-4.3@140.41,86.915
  Top Layer w2: 116.9,122.734 116.9,120.7 118.635,118.965 Q32.4@125.88,118.965
+48V: C3.2 D1.1 D31.A R23.2 XT31.P XT32.P | length 100.5
  Top Layer w1.8: D1.1@116.61,142.385 117.26,141.735 C3.2@123.92,141.735
  Top Layer w3: D31.A@150.6,147.1 151.2,147.1 152.5,145.8 XT32.P@152.5,142.2
  Bottom Layer w3: XT31.P@67.4,137.4 113.9,137.4 v1(116,139.5) ; v1@116,139.6 v1@129,139.6 ; v1@129.15,139.65 149.95,139.65 XT32.P@152.5,142.2
  other v1: 116,138.5 117,138.5 118,138.5 119,138.5 120,138.5 121,138.5 122,138.5 123,138.5 124,138.5 125,138.5 126,138.5 127,138.5 128,138.5 129,138.5 117,139.5 118,139.5 119,139.5 120,139.5 121,139.5 122,139.5 123,139.5 124,139.5 125,139.5 126,139.5 127,139.5 128,139.5 129,139.5 116,140.5 117,140.5 118,140.5 119,140.5 120,140.5 121,140.5 122,140.5 123,140.5 124,140.5 125,140.5 126,140.5 127,140.5 128,140.5 129,140.5
BOT_3V: J5.1 S3.1 | length 37.3
  Bottom Layer w1: 65.1,65.7 65.1,62.814 65.1,62.447 65.598,61.95 78.321,54.562 87.062,54.562 89.425,56.925 J5.1@89.425,63.46
BUTTON: R00.1 SW?.3 U1.5 | length 38.9
  Top Layer w0.8: SW?.3@148.65,76.75 148.65,74.975 R00.1@149.325,74.3
  Bottom Layer w1.8: U1.5@117.55,64.56 136.46,64.56 SW?.3@148.65,76.75
BUTTON_1: J3.1 U1.12 | length 7.8
  Top Layer w0.5: U1.12@117.55,82.34 120.975,78.915 123.4,78.915 J3.1@123.775,78.54
BUTTON_2: J3.4 U1.6 | length 15.3
  Top Layer w0.5: U1.6@117.55,67.1 122.015,67.1 128.375,73.46 J3.4@130.25,73.46
BZ: BZ.1 U1.33 | length 12.7
  Top Layer w0.5: v1(98.05,109) 99.441,109 100.701,107.74 U1.33@102.31,107.74
  Bottom Layer w0.5: BZ.1@94.1,115 94.1,112.55 97.631,109.019 98.031,109.019 v1(98.05,109)
CS-1: C41-1.2 R46-1.1 | length 1.5
  Top Layer w0.5: R46-1.1@80.7,123.3 80.713,123.312 82.163,123.312 C41-1.2@82.175,123.325
CS-2: C41-2.2 R46-2.1 | length 1.5
  Top Layer w0.5: C41-2.2@137.725,121.4 137.737,121.413 139.187,121.413 R46-2.1@139.2,121.425
CS-3: C41-3.2 R46-3.1 | length 1.5
  Top Layer w0.5: R46-3.1@80.725,98.55 80.738,98.563 82.188,98.563 C41-3.2@82.2,98.575
CS-4: C41-4.2 R46-4.1 | length 1.5
  Top Layer w0.5: C41-4.2@137.75,96.675 137.762,96.688 139.212,96.688 R46-4.1@139.225,96.7
ESC: U1.30 US1.SCL | length 19.8
  Top Layer w0.5: v1(121.8,96.6) 121.8,92.76 US1.SCL@127.3,87.26
  Bottom Layer w0.5: U1.30@119.25,102.66 121.04,102.66 121.8,101.9 v1(121.8,96.6)